# Allegro board ultrasound_tnr_1000a_01_20171121.brd (continued)
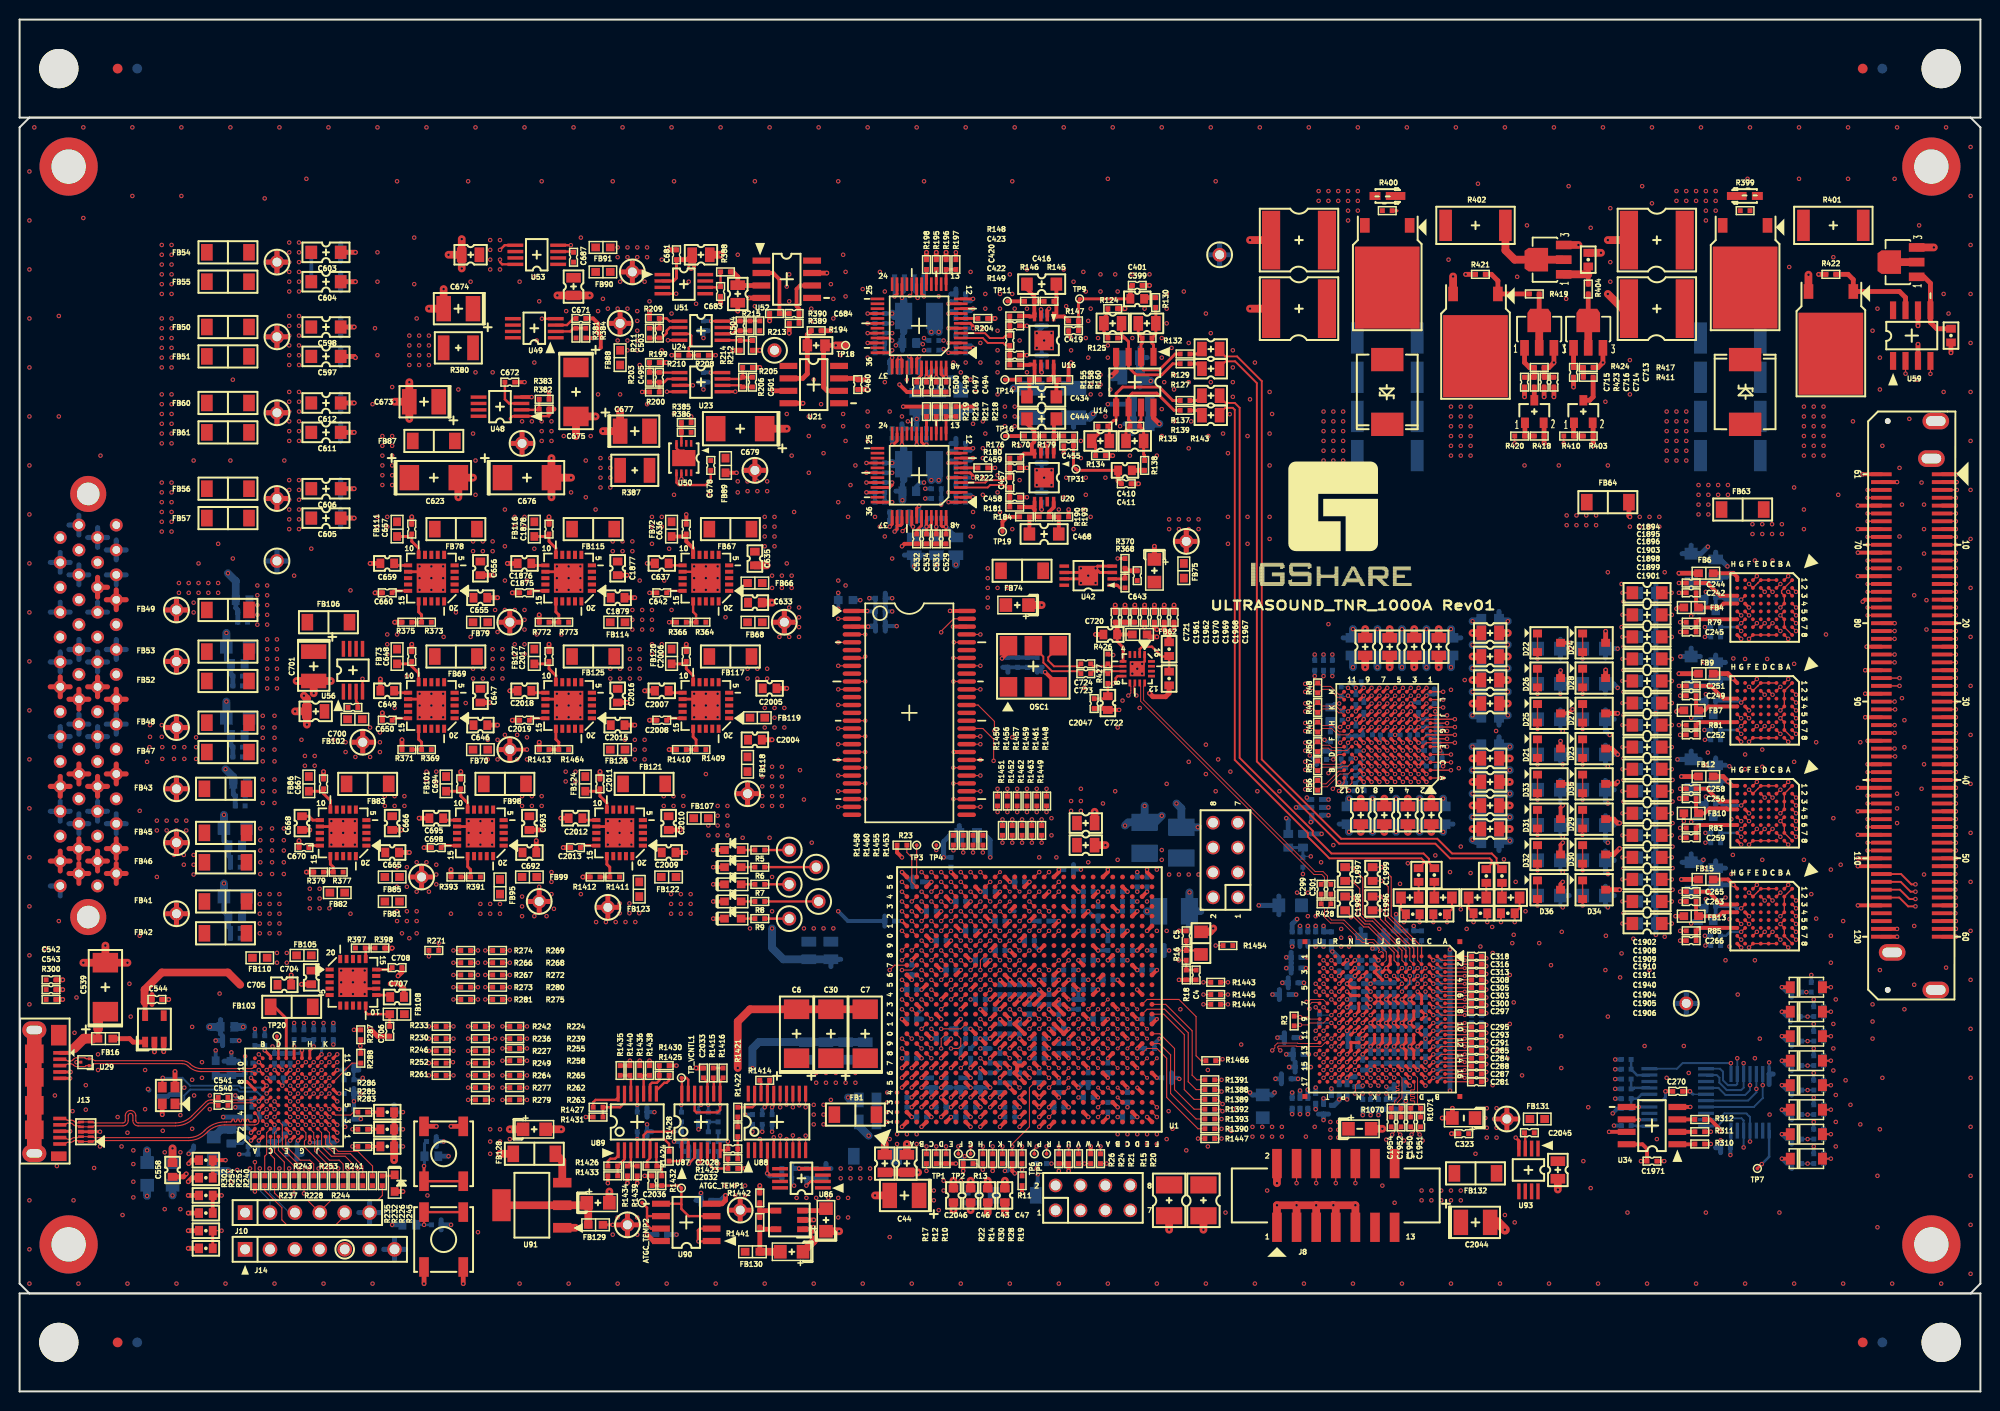
[diagram p0: board, top side]
## Routing (per net, layer and track width the routed paths; a pad name or vN(x,y) marks a point on that pad's centre or on a via; arc(x,y) is an arc through that point) (continued)
N03351: length 7.5
  TOP w0.115: R283.2 v1(33.95,25) ; v1(29.2,28) U26.G4
  SIG1 w0.13: v1(29.2,28) 29.6,27.6 29.6,27 31.6,25 v1(33.95,25)
N03403: length 2.7
  TOP w0.115: R286.2 34.06,28.5 33.76,28.2 32.2,28.2 U26.L4
N03525: length 3.6
  TOP w0.115: R288.2 33.9,33.5 U26.L8
N04059: length 8
  TOP w0.115: U26.K2 31.6,26.4 31.6,25.4 32.5,24.5 34.5,24.5 36,23 R226.2
N04081: length 8.2
  TOP w0.115: U26.J4 v1(30.8,28)
  SIG4 w0.13: v1(34.5,22.75) 34.25,22.75 31.2,25.8 31.2,27.6 v1(30.8,28)
  BOTTOM w0.115: R229.2 v1(34.5,22.75)
N04115: length 6.5
  TOP w0.115: R232.2 35,23 33.75,24.25 32.15,24.25 31.2,25.2 U26.K1
N04119: length 7.1
  TOP w0.115: U26.J2 30.8,26.4 30.8,25 31.8,24 33.2,24 34,23.2 R235.2
N04171: length 6.9
  TOP w0.115: U26.J3 v1(30.8,27.2)
  SIG4 w0.13: v1(30.8,27.2) 30.8,25.45 v1(33.5,22.75)
  BOTTOM w0.115: R238.2 v1(33.5,22.75)
N04193: length 5.7
  TOP w0.115: R241.2 33,23.2 32.6,23.6 31.6,23.6 30.4,24.8 U26.J1
N04227: length 6
  TOP w0.115: R244.2 32,23 31.8,23.2 31.4,23.2 30.1,24.5 30.1,25.7 30,25.8 30,26.4 U26.H2
N04249: length 6.4
  TOP w0.115: U26.H3 v1(30,27.2)
  SIG4 w0.13: v1(31.5,22.75) 31.5,24 30.4,25.1 30.4,26.8 v1(30,27.2)
  BOTTOM w0.115: R247.2 v1(31.5,22.75)
N04283: length 7
  TOP w0.115: U26.F4 v1(28.4,28)
  SIG4 w0.13: v1(29.5,22.75) 29.5,23.9 28.8,24.6 28.8,27.6 v1(28.4,28)
  BOTTOM w0.115: R250.2 v1(29.5,22.75)
N04287: length 5.8
  TOP w0.115: U26.G2 29.2,26.4 29.2,25.7 29.05,25.55 29.05,24.95 31,23 R253.2
N04291: length 1.3
  TOP w0.3: U26.C8 v1(25.2,32)
  BOTTOM w0.3: v1(25.2,32) R301.1
N04303: length 6.3
  TOP w0.115: R302.1 v1(24,23.4) ; v1(25.2,27.2) U26.B3
  SIG1 w0.13: v1(24,23.4) 25.2,24.6 v1(25.2,27.2)
N04339: length 6.3
  TOP w0.115: U26.G3 v1(29.2,27.2)
  SIG4 w0.13: v1(30.5,22.75) 30.5,24.25 30,24.75 30,26.4 v1(29.2,27.2)
  BOTTOM w0.115: R256.2 v1(30.5,22.75)
N04621: length 7.5
  TOP w0.115: U26.F3 v1(28.4,27.2)
  SIG1 w0.13: v1(28.4,27.2) 32.5,23.1 v1(32.5,22.75)
  BOTTOM w0.115: R259.2 v1(32.5,22.75)
N04804: length 7.7
  TOP w0.115: U26.F5 v1(28.4,28.8)
  SIG1 w0.13: v1(28.4,28.8) 28,28.4 28,25 28.5,24.5 v1(28.5,22.75)
  BOTTOM w0.115: R225.2 v1(28.5,22.75)
N04826: length 5.8
  TOP w0.115: R228.2 30,23.2 29.6,23.6 28.6,23.6 27.15,25.05 27.15,25.95 U26.E1
N04860: length 7.8
  TOP w0.115: U26.E5 v1(27.6,28.8)
  SIG4 w0.13: v1(26.5,22.75) 26.5,23.9 27.2,24.6 27.2,28.4 v1(27.6,28.8)
  BOTTOM w0.115: R231.2 v1(26.5,22.75)
N04864: length 6.9
  TOP w0.115: U26.E4 v1(27.6,28)
  SIG4 w0.13: v1(27.6,28) 28,27.6 28,24.6 27.5,24.1 v1(27.5,22.75)
  BOTTOM w0.115: R234.2 v1(27.5,22.75)
N04916: length 4.7
  TOP w0.115: R237.2 28,23 26.4,24.6 U26.D1
N05134: length 5.4
  TOP w0.115: R240.2 27,23.4 26,24.4 26,26.4 U26.D2
N05193: length 6.9
  TOP w0.115: U26.D3 26.8,27.2 26.8,24.8 28.31,23.29 28.71,23.29 29,23 R243.2
N05266: length 7.2
  TOP w0.115: U26.D4 v1(26,28)
  SIG4 w0.13: v1(24.5,22.75) 24.5,23.9 25.6,25 25.6,27.6 v1(26,28)
  BOTTOM w0.115: R248.2 v1(24.5,22.75)
N05331: length 4.2
  TOP w0.115: R251.2 26,23.75 25.6,24.15 U26.C1
N05396: length 5
  TOP w0.115: U26.C2 25.2,26.4 25.2,24.2 25,24 R254.2
N05461: length 8.7
  TOP w0.115: U26.D5 v1(26,29.6)
  SIG4 w0.13: v1(25.5,22.75) 25.5,24.1 26.4,25 U26.D5 v1(26,29.6)
  BOTTOM w0.115: R257.2 v1(25.5,22.75)
N05526: length 7.3
  TOP w0.115: U26.C4 v1(25.2,28)
  SIG4 w0.13: v1(25.2,28) 24.8,27.6 24.8,25.05 23.5,23.75 v1(23.5,22.75)
  BOTTOM w0.115: R260.2 v1(23.5,22.75)
N06314: length 3.1
  TOP w0.25: R212.2 R214.1 73.47,107.28 U24.5
N06358: length 2.5
  TOP w0.3: U22.13 R196.2 R197.2
N06402: length 3.7
  TOP w0.25: R211.1 C503.1 65.5,107.5 66,108 66,108.25 66.33,108.58 U24.2
N06444: length 4.2
  TOP w0.25: U24.1 66.28,109.22 66,109.5 R209.2 C503.2 R211.2
N06456: length 4.1
  TOP w0.25: R199.2 R203.2 C495.2 65.28,103.97 U23.1
N06500: length 4.1
  TOP w0.25: R206.2 73.58,103.33 U23.7 ; R206.2 C501.2 ; R206.2 R205.2
N06504: length 4.2
  TOP w0.25: C495.1 65.75,103 66.08,103.33 U23.2 ; C495.1 R203.1 ; C495.1 R200.1
N06528: length 4.1
  TOP w0.25: U24.7 72.58,108.58 73.25,109.25 C504.2 R215.2 R213.2
N06590: length 1.5
  TOP w0.3: U22.17 R198.2
N06692: length 4.4
  TOP w0.25: U24.3 68.33,107.92 68.5,107.75 68.5,106.75 68.25,106.5 R210.1 R208.2
N07073:
  vias: v1(182,100.5) v1(182,99.5) v1(182,98.5) v1(182,97.5) v1(182,96.5) v1(182,95.5) v1(183,100.5) v1(183,99.5) v1(183,98.5) v1(183,97.5) v1(183,96.5) v1(183,95.5) v1(184,100.5) v1(184,99.5) v1(184,98.5) v1(184,97.5) v1(184,96.5) v1(184,95.5)
N07077: length 10.1
  TOP w0.5: R422.2 186.5,114 187.04,113.46 Q7.1 191.75,112.25 192.37,111.64 U59.7
N07349: length 0.5
  TOP w0.3: R400.1 140.5,120.5
N07605: length 2.8
  TOP w0.8: Q3.2 Q3.4
N07651: length 8
  TOP w0.5: Q3.1 194.25,113.75 194.91,113.09 U59.5 194.91,109.09 195.55,108.45 R409.2
N07654: length 1.7
  TOP w0.3: U22.43 92,103.75 91.5,103.25 C500.1
N07756: length 1.5
  TOP w0.3: U22.15 R195.2
N07778: length 1.8
  TOP w0.3: U22.8 R204.2
N07818: length 2.9
  TOP w0.25: R215.1 C504.1 73,108.25 72.67,107.92 U24.6
N08266: length 3.1
  TOP w0.25: U23.6 73.58,102.67 R206.1 C501.1
N26253: length 3.6
  TOP w0.2: U60.6 111.25,74 R426.1 110.75,74 109.5,74 C724.1
N26342: length 3.6
  TOP w0.2: C723.1 109.5,73.5 110.7,73.5 110.95,73.25 R427.1 111.05,73.25 111.3,73.5 U60.7
N34473: length 7.9
  TOP w0.3: U60.5 112.55,75.95 111.95,76.55 C720.1
  TOP w0.4: FB62.2 C720.1
  TOP w0.5: C1962.1 C1961.1 C721.1 111.95,78.3 C720.1
N127281: length 2.1
  TOP w0.25: U50.4 67,96.25 67.25,96 67.75,96 U50.9
N127313: length 5.8
  TOP w0.25: U50.5 67,92.75 67.25,92.5 70,92.5 70.5,93 C678.2
N127331: length 2.1
  TOP w0.25: U50.3 R386.2
  TOP w0.4: R385.1 R386.2
N127405: length 2.3
  TOP w0.25: C671.1 56.5,109.5 55.83,108.83 U49.3
N127413: length 4.1
  TOP w0.4: C671.2 58.5,109.5 59,109 59,108 59.28,107.72 59.28,106.53 59.25,106.5
N127425: length 3.2
  TOP w0.25: R384.2 R381.1 56.5,108.5 56.17,108.17 U49.2
N128425: length 3.6
  TOP w0.25: U48.3 49.92,100.83 49.5,101.25 C672.1
N128433: length 2.8
  TOP w0.25: U48.2 52.92,100.17 R382.1 R383.2
N128755: length 5.3
  TOP w0.4: R389.2 C684.2 79.5,110.5 79.25,110.75 79.25,112.5 79.61,112.86 U52.6
N128759: length 3.1
  TOP w0.25: U51.6 71.42,112.67 C683.1 R388.2
N128767: length 6.6
  TOP w0.4: U52.2 76.86,114.14 77.5,113.5 R390.2 C684.1
N128835: length 4.2
  TOP w0.5: U52.3 73.28,112.86 C682.1 73.25,113.75 72.75,114.25 R388.1
N129457: length 1.6
  TOP w0.25: U53.3 56.42,116.33 C687.2
N269749: length 3.7
  TOP w0.3: U42.2 112.67,82.92 R368.1 R370.2
  TOP w0.5: C643.2 113,83.75 R370.2
N269757: length 0.9
  TOP w0.3: U42.1 111.97,82.28 112.25,82
N272947: length 14.6
  TOP w0.4: U1.N6 v1(103,32)
  SIG4 w0.4: v1(103.75,22.75) 103.75,22.25 v1(103.85,22.15) 103.35,22.15 103,22.5 v1(103,32)
  BOTTOM w0.4: FB3.2 103.65,21.18 103.85,21.38 v1(103.85,22.15) ; C45.1 v1(103.75,22.75)
N277246: length 3.2
  TOP w0.3: R371.2 R369.1 41,66.25 40.7,66.55 U43.16
N277515: length 1.7
  TOP w0.3: C650.1 38.2,68.7 U43.15
N278109: length 1.5
  TOP w0.3: C649.1 38.4,71.3 U43.11
N281196: length 4
  TOP w0.3: FB73.2 39.75,74.25 C648.1 40,74 40.7,73.3 U43.10
N292794: length 3.2
  TOP w0.25: U40.16 68.7,79.55 69,79.25 R364.1 R366.2
N292870: length 1.7
  TOP w0.25: C642.1 66.2,81.7 U40.15
N292942: length 1.5
  TOP w0.25: C637.1 66.4,84.3 U40.11
N293056: length 4
  TOP w0.4: U40.10 68.7,86.05 68,86.75 C636.1 67.75,87.25 FB72.2
N296332: length 3.2
  TOP w0.3: U45.16 40.7,79.55 41,79.25 R373.1 R375.2
N296466: length 1.7
  TOP w0.3: U45.15 38.2,81.7 C660.1
N296530: length 1.5
  TOP w0.3: C659.1 38.4,84.3 U45.11
N296652: length 4
  TOP w0.3: FB111.2 39.75,87.25 C657.1 40,86.75 40.7,86.05 U45.10
N298386: length 2.7
  TOP w0.3: U47.16 31.7,53.8 32,53.5 R377.1 R379.2
N298520: length 1.2
  TOP w0.3: C670.1 29.7,55.7 U47.15
N298584: length 2
  TOP w0.3: U47.11 29.9,58.3 29.5,58.7 C668.1
N298698: length 4
  TOP w0.3: U47.10 31.7,60.3 31,61 C667.1 30.75,61.25 FB86.2
N302991: length 8.3
  TOP w0.25: v1(111.55,75.15) 111.1,75.15 R426.2 ; C2047.1 110.75,70.7 C722.1 R427.2 v1(111.55,72.25) 111.8,72.5 111.8,72.8 112,73 U60.8
  SIG1 w0.25: v1(111.55,72.25) v1(111.55,75.15)
N307729: length 1.7
  TOP w0.25: C700.2 34.5,69.8 34.5,70.25 34.33,70.42 U56.3
N309276: length 3.2
  TOP w0.3: U55.16 45.7,53.55 46,53.25 R391.1 R393.2
N309406: length 1.7
  TOP w0.3: U55.15 43.2,55.7 C698.1
N309474: length 1.5
  TOP w0.3: C695.1 43.4,58.3 U55.11
N309584: length 4
  TOP w0.3: FB101.2 44.75,61.25 C694.1 45,60.75 45.7,60.05 U55.10
N313491: length 2.1
  TOP w0.3: R398.2 R397.1 35.3,45.2 U58.16
N313621: length 1.7
  TOP w0.3: U58.15 37.8,43.05 C708.1
N313671: length 1.5
  TOP w0.3: C707.1 37.6,40.45 U58.11
N313799: length 4.5
  TOP w0.25: U58.10 35.3,38.7 35.5,38.5 FB108.2
  TOP w0.3: FB108.2 C706.1
N322654: length 11.1
  TOP w0.8: U91.4 U91.2 57.59,19 C2040.1 58,19.09 FB129.1
N322784: length 3.2
  TOP w0.8: U91.3 55.35,23.55 FB128.2
N323196: length 6.3
  TOP w0.5: FB130.1 R1441.2 75.7,16.55 U92.5
  TOP w0.8: FB130.1 C2042.2
N323232: length 3.2
  TOP w0.5: 75.5,18.5 75.55,18.45 U92.4 ; 75.5,18.5 R1441.1 ; 75.5,18.5 R1442.2
N330606: length 1.6
  TOP w0.25: C2045.2 153.57,26.32 U93.3
N331944: length 3.2
  TOP w0.3: U79.16 54.7,79.55 55,79.25 R773.1 R772.2
N332142: length 1.7
  TOP w0.3: C1875.1 52.2,81.7 U79.15
N332196: length 1.5
  TOP w0.3: U79.11 52.4,84.3 C1876.1
N332292: length 4
  TOP w0.3: U79.10 54.7,86.05 54,86.75 C1878.1 53.75,87.25 FB116.2
N340737: length 3.2
  TOP w0.3: U83.16 68.7,66.8 69,66.5 R1409.1 R1410.2
N340867: length 1.7
  TOP w0.3: U83.15 66.2,68.7 C2008.1
N340935: length 1.5
  TOP w0.3: C2007.1 66.4,71.3 U83.11
N341013: length 4
  TOP w0.3: U83.10 68.7,73.05 68,73.75 C2006.1 67.75,74.25 FB120.2
N342096: length 3.2
  TOP w0.3: R1412.2 R1411.1 60.2,53.5 59.9,53.8 U84.16
N342226: length 1.7
  TOP w0.3: U84.15 57.4,55.7 C2013.1
N342294: length 1.5
  TOP w0.3: U84.11 57.6,58.3 C2012.1
N342372: length 4
  TOP w0.3: U84.10 59.9,60.05 59.2,60.75 C2011.1 58.95,61.25 FB124.2
N344972: length 3.2
  TOP w0.3: R1413.2 R1464.1 55,66.25 54.7,66.55 U78.16
N345064: length 1.7
  TOP w0.3: C2019.1 52.2,68.7 U78.15
N345120: length 1.5
  TOP w0.3: C2018.1 52.4,71.3 U78.11
N345246: length 4
  TOP w0.3: FB127.2 53.75,74.25 C2017.1 54,73.75 54.7,73.05 U78.10
N538399: length 5.7
  TOP w0.25: R1428.2 66.25,25.25 65.75,25.75 64.5,25.75 64.3,25.55 U89.6 64.3,23.8 64,23.5 R1424.1
N538411: length 6.5
  TOP w0.25: v1(66.75,26.5) 64,26.5 63.65,26.15 U89.5
  BOTTOM w0.25: R1429.2 R1437.2 v1(66.75,26.5)
N538463: length 3
  TOP w0.25: R1421.1 74.75,29 74.97,29.23 U88.19
N538467: length 1.4
  TOP w0.25: U88.18 75.62,31.62 R1414.1
N538911: length 3
  TOP w0.25: R1432.1 65.5,22.75 65.25,23 R1424.2 64.95,23.05 U89.7
N539075: length 3.6
  TOP w0.25: R1430.2 R1425.1 65.25,31.74 65.01,31.5 64.5,31.5 64.3,31.3 U89.9
N539091: length 3
  TOP w0.25: U89.10 63.65,31.85 R1436.2 R1438.2
N539123: length 2.5
  TOP w0.25: R1425.2 66.25,31.75 66,31.5 65.75,31.5 64.95,30.7 U89.8
N539413: length 3.6
  TOP w0.25: v1(72.25,25.5) C2028.1 72.11,24.61 U87.7
  BOTTOM w0.25: R1419.1 R1418.2 v1(72.25,25.5)
N539417: length 2.8
  TOP w0.25: U87.6 70.8,23.7 v1(71.25,23.25)
  BOTTOM w0.25: v1(71.25,23.25) R1417.1
N539421: length 2
  BOTTOM w0.25: R1419.2 R1420.1 C2029.2
N539425: length 2.2
  TOP w0.25: R1422.2 C2028.2 R1423.1
N539429: length 1.6
  TOP w0.25: U87.9 70.8,31.95 R1415.1
N539441: length 8.7
  TOP w0.25: U87.12 68.85,28.65 69.03,28.47 71.2,28.47 71.45,28.72 v1(71.45,29.25) U87.8 71.45,31.7 R1416.2
  BOTTOM w0.25: v1(71.45,29.25) 71.45,28.7 C2029.1
N539449: length 4.6
  TOP w0.25: U87.5 70.15,23.35 70.75,22.75 C2032.1 R1423.2
N539463: length 3.7
  TOP w0.25: C2033.1 70.15,31.6 U87.10 70.15,29.35 v1(70.25,29.25)
  BOTTOM w0.25: v1(70.25,29.25) R1420.2
N539483: length 1
  BOTTOM w0.25: R1418.1 R1417.2
N539499: length 1
  TOP w0.25: R1416.1 R1415.2
N539729: length 2.9
  TOP w0.25: R1433.2 R1426.1 61.7,23.7 U89.2
N539741: length 2.8
  TOP w0.25: U89.3 62.35,23.35 R1434.2 R1439.2
N539775: length 2.3
  TOP w0.25: R1426.2 60,23.5 60.25,23.75 60.75,23.75 61.05,24.05 U89.1
N540093: length 4.3
  TOP w0.25: R1431.2 R1427.1 61.25,29 61.7,29.45 U89.13
N540109: length 2.9
  TOP w0.25: R1435.2 R1440.2 62.35,32.15 U89.12
N540141: length 3.6
  TOP w0.25: U89.14 61.05,30 60.8,29.75 58.75,29.75 58.5,29.5 R1427.2
N540355: length 1
  TOP w0.25: R1421.2 R1422.1
N575717: length 8.2
  TOP w0.115: R30.2 v1(100.25,25) ; U1.M5 v1(102,31)
  SIG4 w0.13: v1(100.25,25) 101.5,26.25 101.5,30.25 102,30.75 v1(102,31)
N638341: length 5.2
  TOP w0.4: 105.75,109.7 105.75,111 R145.1 105.75,111.5 C416.2 ; 105.75,109.7 106.55,109.7 R147.2 ; 105.75,109.7 U16.1
N638363: length 4.6
  TOP w0.4: C434.2 105.75,103 R160.2 R158.1 105.47,103.72 U16.8
N638389: length 6
  TOP w0.4: 103.5,103.25 R158.2 ; 103.5,103.25 R155.1 103,101.75 C434.1 ; 103.5,103.25 103.53,103.28 U16.5 103.02,104.8 102.97,104.75 R149.1
N638417: length 6.2
  TOP w0.4: R145.2 R146.1 ; R146.1 103.5,111.75 102.75,112.5 C416.1 ; R146.1 103.5,110 103.53,109.97 U16.4 103.02,109.7 102.97,109.75 R148.1
N638583: length 5.9
  TOP w0.4: 103.5,89.25 103.53,89.28 103.53,90 ; 103.5,89.25 R190.2 ; 103.5,89.25 R184.1 C468.1 ; 103.53,90 103.28,90.25 R181.1 ; 103.53,90 U20.5
N638773: length 4.5
  TOP w0.4: C468.2 R193.2 R190.1 105,89.75 105.47,90.22 U20.8
N638995: length 1.8
  TOP w0.4: TP11.1 R146.2
N639019: length 9.9
  TOP w0.3: R147.1 108,111.25 108.12,111.38 TP9.1 C399.1
  TOP w0.4: C419.1 R147.1
  TOP w0.5: C401.1 113.3,112.67 C399.1
N639089: length 6.7
  TOP w0.5: U21.2 79.89,103.39 80.35,103.85 R192.2 80.35,107.85 R194.1
N639341: length 1.5
  TOP w0.4: TP14.1 R155.2
N639483: length 4.7
  TOP w0.4: R170.1 105.5,99 C444.2 ; R170.1 R179.2 ; R170.1 105.5,96.92 105.47,96.89 U20.1
N639581: length 6.8
  TOP w0.4: R176.1 103.5,98 102.75,98.75 C444.1 ; R176.1 R170.2 ; R176.1 103.5,96.92 103.25,96.67 103.25,95.97 U20.4 102.45,95.7 R180.1
N640393: length 2
  TOP w0.4: R176.2 TP16.1
N640585: length 3
  TOP w0.4: R184.2 100.75,89.25 100.25,88.75 TP19.1
N641429: length 9.3
  TOP w0.3: C455.1 107.5,94.38 TP31.1 107.88,94 C410.1
  TOP w0.4: R179.1 C455.1
  TOP w0.5: C410.1 112.05,92.95 C411.1
N785360: length 1.3
  TOP w0.115: U3.F12 v1(134.7,66.2)
  BOTTOM w0.115: R64.1 134.5,66.4 v1(134.7,66.2)
N785364: length 1.1
  TOP w0.115: v1(136.3,64.6) U3.D11
  BOTTOM w0.115: R65.1 136.25,64.55 v1(136.3,64.6)
N785368: length 2
  TOP w0.115: U3.D12 134.5,65 v1(134,64.5)
  BOTTOM w0.115: v1(134,64.5) R66.1
N1027940: length 5.7
  TOP w0.3: R138.1 114.75,95.53 114.65,95.63 C414.2 114.65,98.1 R143.1 114.25,99.03 114.39,99.17 U14.7
N1027996: length 12.8
  TOP w0.3: C406.2 111.15,98.35 R135.1 111.59,99.09 111.84,99.09 U14.5 111.84,101.84 112.5,102.5 116.25,102.5 117.62,101.12 R137.2
N1028026: length 10.9
  TOP w0.3: 113.11,99.17 113.25,99.03 R143.2 112.85,98.1 C414.1 ; 113.11,99.17 113.08,99.17 ; 113.11,99.17 U14.6 113.11,101.49 113.5,101.88 116,101.88 117.75,100.12 R139.2
N1028056: length 3.4
  TOP w0.3: R134.1 109.75,96.6 C406.1 110,97.65 R135.2
N1028250: length 1.3
  TOP w0.5: C410.2 R138.2
N1028254: length 1.4
  TOP w0.3: C408.2 120.1,101.12 R137.1
N1028258: length 1.4
  TOP w0.3: C409.2 120.1,100.12 R139.1
N1028320: length 3.3
  TOP w0.3: R125.2 111,107.75 110.6,108.15 C396.1 110.6,109.6 111,110 R124.1
N1028358: length 5.3
  TOP w0.3: R130.1 115.88,110.05 115.9,110.03 C404.2 115.9,107.9 R132.1 115.5,106.97 115.66,106.81 U14.1
N1028496: length 11.6
  TOP w0.3: R127.2 117.62,104.88 116.5,103.75 113.88,103.75 113.11,104.51 U14.3 113.11,107.14 112.75,107.5 ; R125.1 112.75,107.5 ; 112.75,107.5 112.4,107.85 C396.2
N1028564: length 9.5
  TOP w0.3: R129.2 117.88,105.88 116.25,104.25 114.62,104.25 114.39,104.49 U14.2 114.39,106.85 114.5,106.97 R132.2 114.1,107.9 C404.1
N1028790: length 1.2
  TOP w0.5: R130.2 114.83,111.62 C399.2
N1028812: length 1.4
  TOP w0.3: C398.2 120.1,104.88 R127.1
N1028834: length 1.4
  TOP w0.3: C400.2 120.1,105.88 R129.1
N1130869: length 5.7
  TOP w0.115: U1.D25 v1(93,51) ; v1(93.5,55.25) TP4.1
  SIG4 w0.13: v1(93,51) U1.D25 v1(93.5,55.25)
N16739834: length 1.3
  TOP w0.25: D20.2 38.15,22 R245.2
N16749198: length 7.6
  TOP w0.4: FB16.2 7.4,36 ; J13.1 5.1,34.55 5.57,35.02
  TOP w0.5: 8,37 FB16.2
  TOP w1: C539.1 8,38 8,37 ; 7.4,36 6.55,36 5.57,35.02
N16749224: length 12.6
  TOP w1.5: J13.12 J13.16 J13.15 J13.14 J13.13 J13.11
N16749656: length 2.9
  TOP w0.118: U26.A6 23.87,29.87 arc(23.74,29.78) 23.58,29.75 21.62,29.75 arc(21.51,29.77) 21.41,29.84 C541.2
N16749662: length 2.9
  TOP w0.118: U26.A5 23.89,29.31 arc(23.74,29.41) 23.55,29.45 21.59,29.45 arc(21.51,29.43) 21.43,29.38 C540.2
N16765422: length 1.8
  TOP w0.4: U34.2 170.87,26.49 R311.2
N16765442: length 1.8
  TOP w0.4: R310.2 170.84,25.22 U34.1
N16765446: length 1.8
  TOP w0.4: R312.2 170.87,27.76 U34.3
N16775966:
  vias: v1(146,100.5) v1(146,99.5) v1(146,98.5) v1(146,97.5) v1(146,96.5) v1(146,95.5) v1(147,100.5) v1(147,99.5) v1(147,98.5) v1(147,97.5) v1(147,96.5) v1(147,95.5) v1(148,100.5) v1(148,99.5) v1(148,98.5) v1(148,97.5) v1(148,96.5) v1(148,95.5)
N16775970: length 6.1
  TOP w0.5: R421.2 150.13,114 150.79,113.34 Q8.1 R419.1
N16776220: length 3.1
  TOP w0.5: Q5.3 160.15,101.15 160.5,101.5 R411.2
N16776236: length 2.4
  TOP w0.5: R403.2 R410.1 158.5,98.81 Q5.1
N16776244: length 4
  TOP w0.5: Q6.1 158.5,104.5 C713.2 R417.2 R411.1
N16776398: length 5.5
  TOP w0.5: R404.2 Q6.4
  TOP w0.8: Q6.2 Q6.4
N16776438: length 2.4
  TOP w0.5: Q9.1 153.55,97.55 R420.1 R418.2
N16776460: length 1.4
  TOP w0.5: R423.2 Q9.3
N16776468: length 4.7
  TOP w0.5: Q10.1 153.5,105 154,104.5 R424.2 R423.1 C715.2
N16776676: length 5.5
  TOP w0.5: R419.2 Q10.4
  TOP w0.8: Q10.2 Q10.4
N16776792: length 4.3
  TOP w0.5: R412.2 R404.1
  TOP w0.8: 160,114 160,114 Q4.1
N16776796: length 8.9
  TOP w0.8: R402.1 151.55,116.45 152.5,115.5 Q4.4 Q4.2
N16782250: length 1.9
  BOTTOM w0.25: R93.2 164.88,27.12 164.93,27.07 U8.1
N16809731: length 12.9
  TOP w0.115: R1388.1 120,30.8 119.2,31.6 119.2,36.6 116.8,39 115,39 U1.AE12
N16809739: length 12.3
  TOP w0.115: U1.AF12 116.7,38.5 118.8,36.4 118.8,30.8 119.8,29.8 R1389.1
N16809749: length 12.3
  TOP w0.115: R1390.1 120.2,26.8 117,30 117,34 116,35 115,35 U1.AE8
N16809882: length 11.2
  TOP w0.115: U1.AF13 116.9,39.5 119.6,36.8 119.6,32.27 120.07,31.8 R1391.1
N16809884: length 11
  TOP w0.115: R1392.1 119.8,28.8 117.8,30.8 117.8,35 116.3,36.5 U1.AF10
N16809886: length 10.9
  TOP w0.115: R1393.1 120,27.8 117.4,30.4 117.4,34.35 116.25,35.5 U1.AF9
N16815136: length 26.4
  TOP w0.115: v1(120.75,41.75) R1443.2 ; U1.U4 v2(107,31)
  SIG3 w0.13: v1(120.75,41.75) 120.5,41.5 113.75,41.5 113.25,41 110.75,41 110.25,40.5 108.75,40.5 107.5,39.25 107.5,37.75 107.25,37.5 106.63,37.5 105.5,36.37 105.5,31.5 106,31 v2(107,31)
N16815138: length 22.8
  TOP w0.115: v1(120.75,39.5) R1444.2 ; U1.T7 v2(106,33)
  SIG3 w0.13: v1(120.75,39.5) 109.75,39.5 109.5,39.25 109.5,37.75 109.25,37.5 108.75,37.5 108.5,37.25 108.5,32.75 108.25,32.5 106.5,32.5 v2(106,33)
N16815140: length 21.7
  TOP w0.115: U1.U6 v2(107,33) ; v1(120.75,40.5) R1445.2
  SIG3 w0.13: v2(107,33) 107.5,33.5 107.5,37.25 107.75,37.5 108.25,37.5 108.5,37.75 108.5,39.73 108.77,40 110.25,40 110.75,40.5 v1(120.75,40.5)
N16815142: length 40.9
  TOP w0.115: U1.U5 v2(107,32)
  SIG3 w0.13: v1(130.9,52.8) 130.4,52.8 129.7,52.1 129.7,48 124.7,43 124.7,39.9 123.3,38.5 110.75,38.5 109.5,37.25 109.5,32.5 109,32 v2(107,32)
  BOTTOM w0.115: R1446.2 v1(130.9,52.8)
N16821057: length 5
  TOP w0.115: U1.E25 v1(94,52) ; R1458.1 v1(95.25,55.22)
  SIG4 w0.13: v1(94,52) 94.5,52.5 94.5,53.5 95.25,54.25 v1(95.25,55.22)
N16821060: length 5
  TOP w0.115: U1.G25 v1(96,52) ; R1460.1 v1(96.25,55)
  SIG4 w0.13: v1(96.25,55) 96.25,54.25 95.5,53.5 95.5,52.5 v1(96,52)
N16823620: length 1.4
  TOP w0.25: R5.2 D1.1
N16823681: length 1.4
  TOP w0.25: R6.2 D2.1
N16823716: length 1.4
  TOP w0.25: R7.2 D3.1
N16823734: length 1.4
  TOP w0.25: R8.2 D4.1
N16823777: length 1.4
  TOP w0.25: R9.2 D5.1
N16824060: length 5.1
  TOP w0.14: U11.E5 v1(142.6,41.6)
  BOTTOM w0.14: C2002.2 142.2,42.2 142.6,41.8 v1(142.6,41.6)
N16824067: length 5.1
  TOP w0.14: U11.D5 v1(143.4,41.6)
  BOTTOM w0.14: C2003.2 143,42 v1(143.4,41.6)
N16824840: length 13.4
  TOP w0.115: v1(98,45) U1.H18 ; R1451.1 v1(100.25,56)
  SIG3 w0.13: v1(100.25,56) 100.25,54.25 99.5,53.5 99.5,51.25 98.5,50.25 98.5,45.5 v1(98,45)
N16825182: length 8.8
  TOP w0.115: U1.G22 v1(96,49) ; R1453.1 v1(98.25,55)
  SIG4 w0.13: v1(98.25,55) 98.25,54.5 97.5,53.75 97.5,49.75 97.25,49.5 96.5,49.5 v1(96,49)
N16825184: length 8.4
  TOP w0.115: R1455.1 v1(97.25,55) ; U1.F23 v1(95,49)
  SIG4 w0.13: v1(95,49) 96.5,50.5 96.5,53.5 97.25,54.25 v1(97.25,55)
N16825809: length 35.6
  TOP w0.115: U1.K15 v1(99,42) ; R1447.1 v1(120.2,25.8)
  SIG1 w0.13: v1(120.2,25.8) 119.45,25.8 117.75,27.5 107.5,27.5 104.5,30.5 104.5,41.25 104.25,41.5 U1.K15 v1(99,42)
N16833203: length 11.6
  TOP w0.115: U1.AE13 115,40 118.25,40 120,38.25 120,34.25 120.5,33.75 R1466.1
N16833659: length 12
  TOP w0.115: R1452.1 v1(101.25,56) ; U1.J20 v1(99,47)
  SIG2 w0.13: v1(99,47) 99.25,47 100.75,48.5 101.25,48.5 101.5,48.75 101.5,52.75 101.25,53 v1(101.25,56)
N16833941: length 15.9
  TOP w0.115: U1.H19 v1(98,46) ; R1456.1 v1(100.75,59.12)
  SIG2 w0.13: v1(98,46) 98.5,46.5 98.5,47.25 98.75,47.5 99.25,47.5 100.5,48.75 100.5,52.75 100.75,53 v1(100.75,59.12)
N16834011: length 20.2
  TOP w0.115: U1.K17 v1(99,43) ; R1461.1 v1(103.75,59.12)
  SIG3 w0.13: v1(99,43) U1.K17 99.5,45 100,45.5 101.25,45.5 101.5,45.75 101.5,49.75 102.5,50.75 102.5,54.5 103.75,55.75 v1(103.75,59.12)
N16834155: length 17.7
  TOP w0.115: R1448.1 v1(104.75,59.12) ; U1.M17 v1(102,44)
  SIG3 w0.13: v1(104.75,59.12) 104.75,55.25 104.5,55 104.5,50.75 103.5,49.75 103.5,46.25 102.5,45.25 102.5,44.25 102.25,44 v1(102,44)
N16834219: length 15.9
  TOP w0.115: R1450.1 v1(99.75,59.12) ; U1.G20 v1(97,46)
  SIG3 w0.13: v1(99.75,59.12) 99.75,54.5 98.5,53.25 98.5,50.75 98.25,50.5 97.75,50.5 97.5,50.25 97.5,46.5 v1(97,46)
N16834323: length 15.4
  TOP w0.115: v1(101,44) U1.L18 ; R1449.1 v1(104.25,56)
  SIG3 w0.13: v1(104.25,56) 104.25,55.5 103.5,54.75 103.5,50.75 103.25,50.5 102.75,50.5 102.5,50.25 102.5,45.75 102.25,45.5 101.75,45.5 101.5,45.25 101.5,44.5 v1(101,44)
N16834423: length 15.9
  TOP w0.115: R1457.1 v1(101.75,59.12) ; U1.J19 v1(99,46)
  SIG3 w0.13: v1(99,46) 99.5,46.5 99.5,50.25 99.75,50.5 100.25,50.5 100.5,50.75 100.5,54 101.75,55.25 v1(101.75,59.12)
N16834471: length 15.9
  TOP w0.115: R1459.1 v1(102.75,59.12) ; v1(101,46) U1.L19
  SIG3 w0.13: v1(101,46) 100.5,46.5 100.5,50.25 100.75,50.5 101.25,50.5 101.5,50.75 101.5,54.25 102.75,55.5 v1(102.75,59.12)
N16834565: length 13.5
  TOP w0.115: R1462.1 v1(102.25,56) ; U1.K20 v1(100,46)
  SIG2 w0.13: v1(102.25,56) 102.25,53 102.5,52.75 102.5,47.75 102.25,47.5 100.75,47.5 100.5,47.25 100.5,46.5 v1(100,46)
N16834626: length 13.6
  TOP w0.115: R1463.1 v1(103.25,56) ; U1.L20 v2(101,47)
  SIG2 w0.13: v1(103.25,56) 103.25,52.75 103.5,52.5 103.5,46.8 103.2,46.5 101.5,46.5 v2(101,47)
N16834644: length 27.3
  TOP w0.115: v1(122,45.5) R1454.1 ; U1.K18 v1(100,44)
  SIG4 w0.13: v1(122,45.5) 119,45.5 118.75,45.75 109.5,45.75 109.25,45.5 109.25,43.25 108.5,42.5 100.75,42.5 100.5,42.75 100.5,43.5 v1(100,44)
N16879150: length 11.3
  TOP w0.095: U11.J1 139,44.4 139.1,44.49 139.1,44.73 138.94,44.88 138.85,44.88 138.76,44.79 138.66,44.79 138.6,44.85 138.6,44.94 138.69,45.04 138.69,45.13 138.02,45.81 137.66,45.81 137.59,45.74 137.59,45.63 137.53,45.57 137.43,45.57 137.37,45.63 137.37,45.74 137.3,45.81 136.97,45.81 136.64,46.14 136.54,46.14 136.51,46.11 136.42,46.11 136.36,46.17 136.36,46.27 136.39,46.3 136.39,46.39 134.98,47.8 133.7,47.8 133.1,48.4 133.1,49.35 132.75,49.7 R428.2 C299.2
N16879160: length 11.3
  TOP w0.095: C301.2 R428.1 133.75,49.7 133.4,49.35 133.4,48.52 133.82,48.1 135.1,48.1 137.09,46.11 138.14,46.11 139.4,44.85 139.4,44 U11.J2
N17003588: length 9
  TOP w0.2: U11.F4 v1(141,42.4) ; C1994.2 v1(142.8,47.9)
  SIG1 w0.14: v1(141,42.4) 141.4,42.8 141.4,43.5
  SIG1 w0.2: v1(142.8,47.9) 142.7,48 142,48 141.4,47.4 141.4,43.5
  BOTTOM w0.2: v1(142.8,47.9) C1994.2
N17003592: length 13.5
  TOP w0.2: U11.G4 v1(140.2,42.4) ; v1(145.6,47.9) C1992.1 146.1,49.2 C1993.2
  SIG3 w0.14: 140.6,43.6 140.6,42.8 v1(140.2,42.4)
  SIG3 w0.2: v1(145.6,47.9) 145.1,48.4 143.9,48.4 143.6,48.1 143.6,47.1 140.6,44.1 140.6,43.6
  BOTTOM w0.2: v1(145.6,47.9) C1992.1
N17003686: length 14.5
  TOP w0.2: U11.E4 v1(142.6,42.4) ; v1(151.1,47.9) C1990.2
  SIG3 w0.14: v1(142.6,42.4) 143,42.8 143,43.6
  SIG3 w0.2: v1(151.1,47.9) 151.1,47.1 150.6,46.6 145.2,46.6 143,44.4 143,43.6
  BOTTOM w0.2: C1990.2 v1(151.1,47.9)
N17003688: length 1.5
  TOP w0.2: R1400.1 C1991.1
N17003690: length 15.8
  TOP w0.2: C1991.2 153,49.3 C1990.1 v1(152.5,47.9) ; U11.D3 v1(143.4,43.2)
  SIG3 w0.2: v1(152.5,47.9) 150.8,46.2 145.4,46.2 143.4,44.2 v1(143.4,43.2)
  BOTTOM w0.2: v1(152.5,47.9) C1990.1